# Altium PCB waffling80-MX-north.PcbDoc (part 1 of 3)
Units mm, origin at the board's own origin, x right, y up, seen from the top; angles counter-clockwise.
Board outline 350.11 x 125.01 mm, 2 copper layers (Component Side, Bottom Layer), stack 1.171 mm thick; 231 components, 145 nets, 1093 pads, 153 vias.
Unrouted connection lines stored in the file: 15.
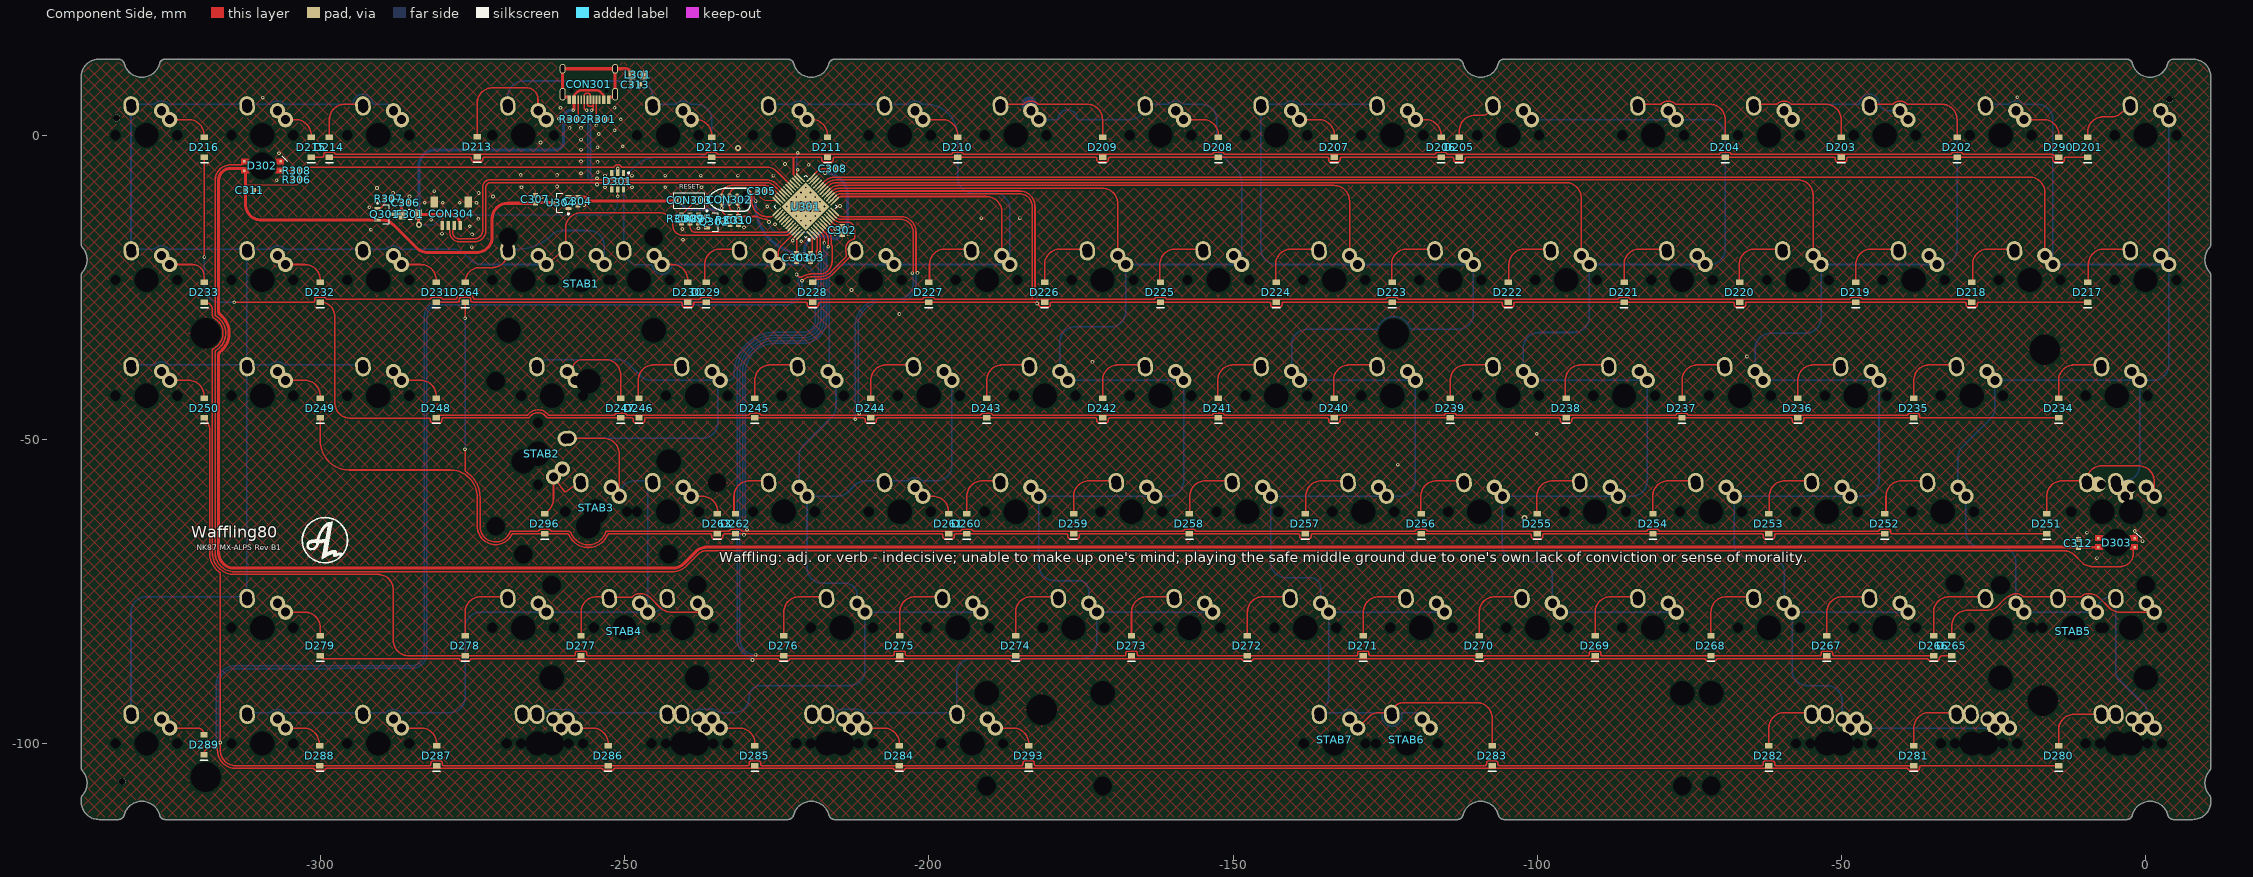
[diagram p0: Component Side view]
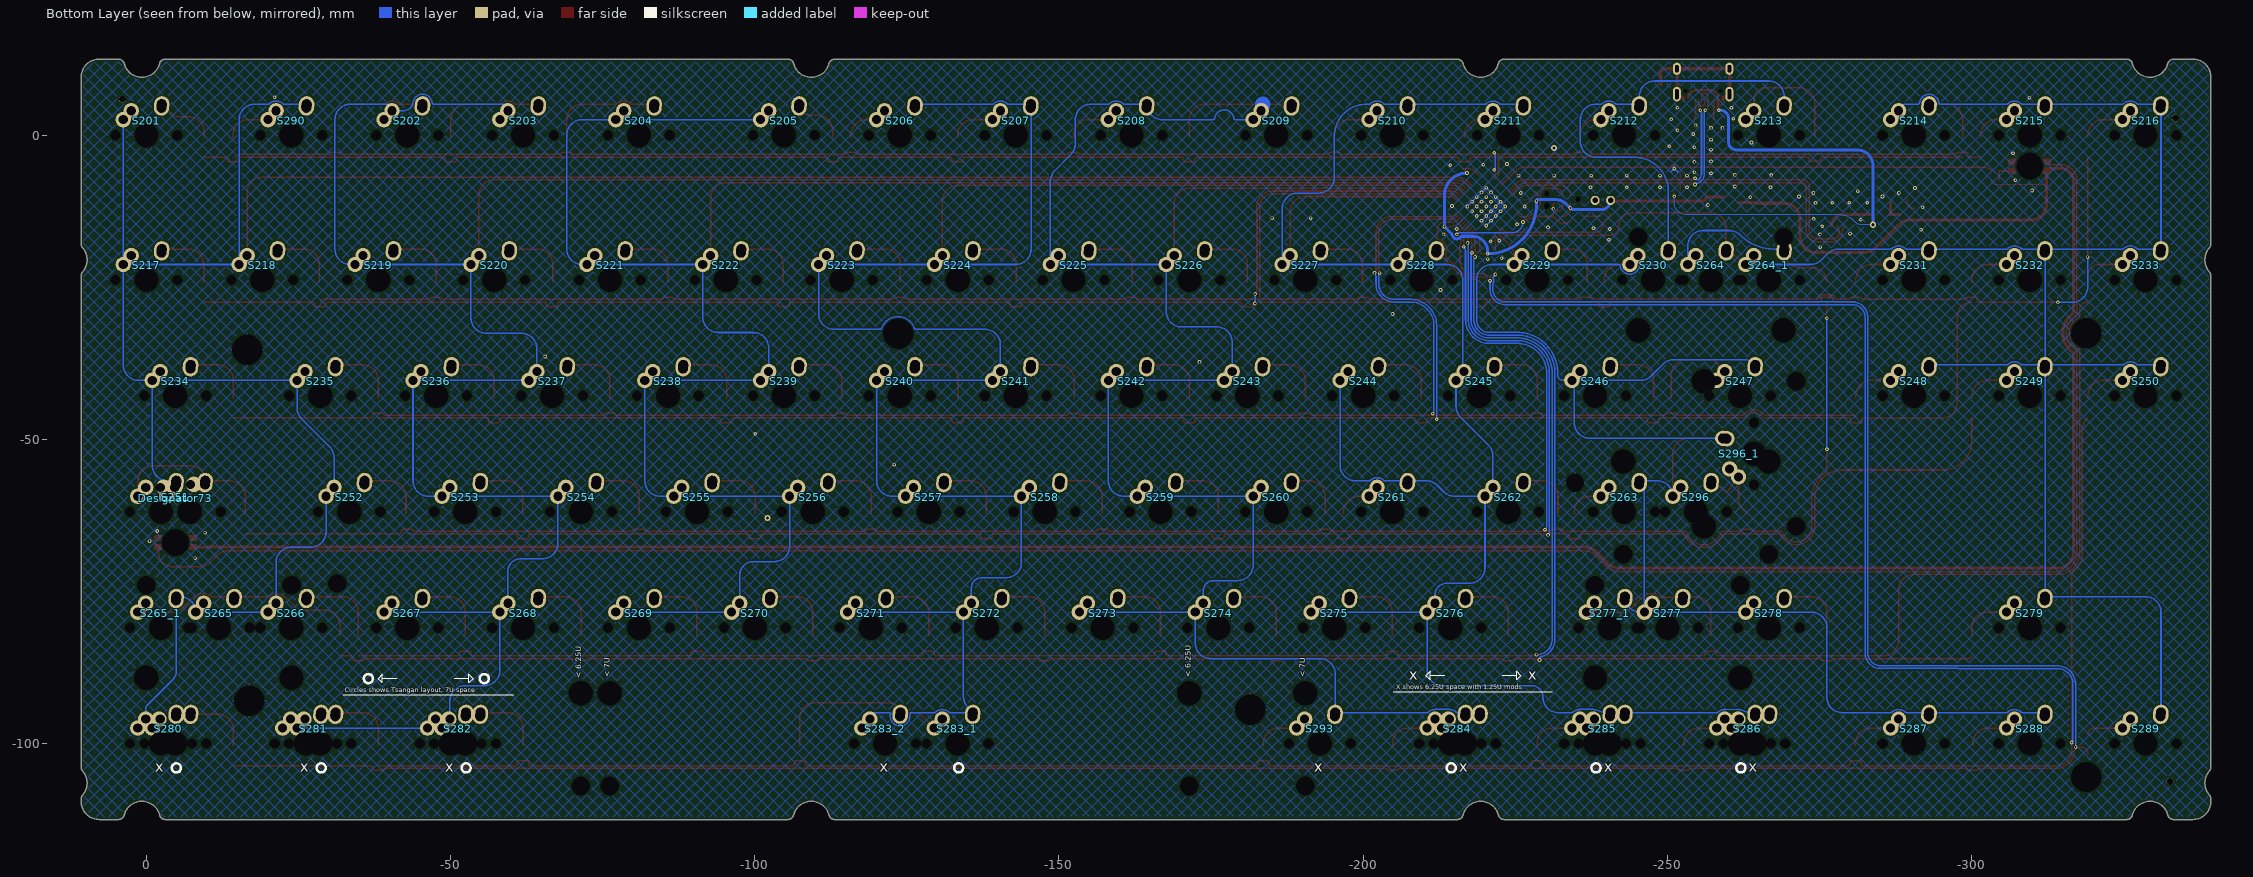
[diagram p1: Bottom Layer view, seen from below]
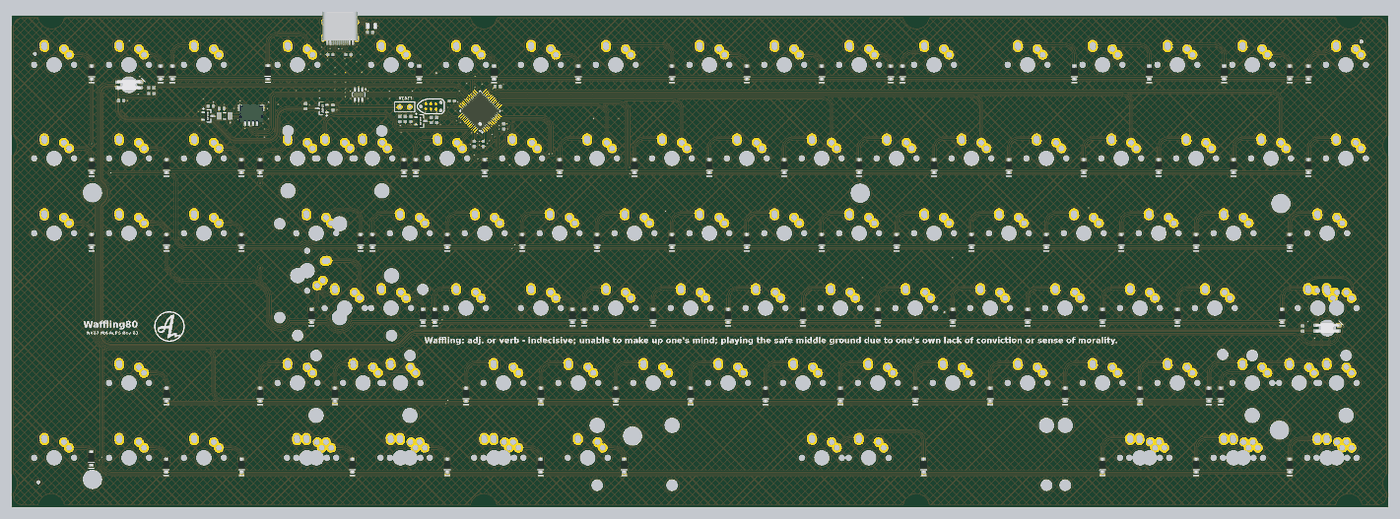
[diagram p4: 3D render of the assembled board from above, using the file's embedded part models]

## Layer stack, top to bottom
Top Solder: solder mask 0.0102, Solder Resist, Dk 3.5
Component Side: signal copper 0.0356
Dielectric 1: core 1.1, FR-4, Dk 4.2
Bottom Layer: signal copper 0.0356
Solder Side: solder mask 0.0102, Solder Resist, Dk 3.5

## Board outline
-339.362,-109.512 ccw(c-336.363,-109.513) -336.362,-112.513 -333.235,-112.513 ccw(c-333.235,-111.512) -332.267,-111.762 cw(c-329.363,-112.513) -326.458,-111.762 ccw(c-325.49,-111.512) -325.49,-112.513 -223.198,-112.513 ccw(c-223.198,-111.512) -222.23,-111.762 cw(c-219.325,-112.513) -216.421,-111.763 ccw(c-215.452,-111.512) -215.452,-112.513 -113.161,-112.513 ccw(c-113.161,-111.512) -112.192,-111.762 cw(c-109.288,-112.513) -106.383,-111.763 ccw(c-105.415,-111.512) -105.415,-112.513 -3.123,-112.513 ccw(c-3.123,-111.512) -2.155,-111.762 cw(c0.75,-112.513) 3.655,-111.763 ccw(c4.623,-111.512) 4.623,-112.513 7.75,-112.513 ccw(c7.75,-109.512) 10.75,-109.512 10.75,-109.158 ccw(c9.75,-109.158) 10.5,-108.497 cw(c12.75,-106.512) 10.5,-104.528 ccw(c9.75,-103.867) 10.75,-103.867 10.75,-23.146 ccw(c9.75,-23.146) 10.5,-22.484 cw(c12.75,-20.5) 10.5,-18.516 ccw(c9.75,-17.854) 10.75,-17.854 10.75,9.5 ccw(c7.75,9.5) 7.75,12.5 4.623,12.5 ccw(c4.623,11.5) 3.655,11.75 cw(c0.75,12.5) -2.155,11.75 ccw(c-3.123,11.5) -3.123,12.5 -105.415,12.5 ccw(c-105.415,11.5) -106.383,11.75 cw(c-109.288,12.5) -112.192,11.75 ccw(c-113.161,11.5) -113.161,12.5 -215.452,12.5 ccw(c-215.452,11.5) -216.421,11.75 cw(c-219.325,12.5) -222.23,11.75 ccw(c-223.198,11.5) -223.198,12.5 -325.49,12.5 ccw(c-325.49,11.5) -326.458,11.75 cw(c-329.363,12.5) -332.267,11.75 ccw(c-333.235,11.5) -333.235,12.5 -336.362,12.5 ccw(c-336.362,9.5) -339.362,9.5 -339.362,-17.854 ccw(c-338.363,-17.854) -339.112,-18.516 cw(c-341.362,-20.5) -339.112,-22.484 ccw(c-338.362,-23.146) -339.362,-23.146 -339.362,-103.867 ccw(c-338.363,-103.867) -339.112,-104.528 cw(c-341.362,-106.512) -339.112,-108.497 ccw(c-338.363,-109.158) -339.362,-109.158

## Design rules (kind name [scope] priority, off if disabled: settings)
BoardOutlineClearance [All] p1: gap=0.254 ignorepadtopadclearanceinfootprint=FALSE except(0: Arc-SplitContinuation Track-SplitContinuation SMDPad-SplitContinuation THPad-SplitContinuation Via-SplitContinuation Fill-SplitContinuation Poly-SplitContinuation Region-SplitContinuation Text-SplitContinuation)
Clearance [All] p1: gap=0.2 ignorepadtopadclearanceinfootprint=FALSE except(0: Arc-Hole Track-Hole SMDPad-Hole THPad-Hole Via-Hole Fill-Hole Poly-Hole Region-Hole Text-Hole; 0.254: THPad-THPad THPad-Via THPad-Fill THPad-Poly THPad-Region THPad-Text Via-Via Via-Fill Via-Poly Via-Region Via-Text Fill-Fill Fill-Poly Fill-Region Fill-Text Poly-Poly Poly-Region Poly-Text Region-Region Region-Text Text-Text)
ComponentClearance [InComponent('No Component') And OnLayer('Component Side')] p1: gap=0.254 collisioncheckmode=3 verticalgap=0.254 showdistances=FALSE
DiffPairsRouting DiffPairsRouting_USB [InDifferentialPairClass('All Differential Pairs')] p1: maxlimit=0.254 minlimit=0.203 mostfreqgap=0.203 toplayer_minwidth=0.152 toplayer_maxwidth=0.381 toplayer_prefwidth=0.152 bottomlayer_minwidth=0.152 bottomlayer_maxwidth=0.381 bottomlayer_prefwidth=0.152 maxuncoupledlength=12.7
DiffPairsRouting [All] p2: maxlimit=0.254 minlimit=0.254 mostfreqgap=0.254 toplayer_minwidth=0.381 toplayer_maxwidth=0.381 toplayer_prefwidth=0.381 bottomlayer_minwidth=0.381 bottomlayer_maxwidth=0.381 bottomlayer_prefwidth=0.381 maxuncoupledlength=12.7
HoleSize [All] p1: absolutevalues=TRUE maxlimit=20 minlimit=0.025 maxpercent=80.000 minpercent=20.000
MatchedLengths MatchedLengths_USB_DiffPairs_1 [All] p1: tolerance=0.127 checknetsindiffpair=TRUE checkdiffpairvsdiffpair=FALSE checkxsignals=FALSE checkothers=FALSE
MatchedLengths MatchedLengths_USB_DiffPairs [All] p2: tolerance=0.127 checknetsindiffpair=TRUE checkdiffpairvsdiffpair=FALSE checkxsignals=FALSE checkothers=FALSE
PolygonConnect PolygonConnect_1 [All vs IsVia] p1: connectstyle=Direct reliefconductorwidth=0.254 reliefentries=4 polygonreliefangle="90 Angle" airgapwidth=0.254
PolygonConnect [All] p2: connectstyle=Relief reliefconductorwidth=0.254 reliefentries=4 polygonreliefangle="90 Angle" airgapwidth=0.254
RoutingVias [All] p1: holewidth=0.711 width=1.27 viastyle="Through Hole" minholewidth=0.711 minwidth=1.27 maxholewidth=0.711 maxwidth=1.27
SolderMaskExpansion [All] p1: expansion=0.102 istentingtop=FALSE
Width [All] p1: maxlimit=2.54 minlimit=0.203 preferedwidth=0.254 minimp=50.000000 maximp=50.000000 favimp=50.000000
27 further rules are at their usual default settings.

## Classes and differential pairs
component class Designator: C201 C202 C203 C204 C205 C206 D201 D202 D203 D204 D205 D206 D207 D208 D209 D210 D211 D212 D213 D214 D215 D216 D217 D218 D219 D220 D221 D222 D223 D224 D225 D226 D227 D228 D229 D230 D231 D232 D233 D234 D235 D236 D237 D238 D239 D240 D241 D242 D243 D244 D245 D246 D247 D248 D249 D250 D251 D252 D253 D254 D255 D256 D257 D258 D259 D260 D261 D262 D263 D264 D265 D266 D267 D268 D269 D270 D271 D272 D273 D274 D275 D276 D277 D278 D279 D280 D281 D282 D283 D284 D285 D286 D287 D288 D289 D290 D293 D296 S201 S202 S203 S204 S205 S206 S207 S208 S209 S210 S211 S212 S213 S214 S215 S216 S217 S218 S219 S220 S221 S222 S223 S224 S225 S226 S227 S228 S229 S230 S231 S232 S233 S234 S235 S236 S237 S238 S239 S240 S241 S242 S243 S244 S245 S246 S247 S248 S249 S250 S251 S252 S253 S254 S255 S256 S257 S258 S259 S260 S261 S262 S263 S264 S264_1 S265 S265_1 S266 S267 S268 S269 S270 S271 S272 S273 S274 S275 S276 S277 S277_1 S278 S279 S280 S281 S282 S283_1 S283_2 S284 S285 S286 S287 S288 S289 S290 S293 S296 S296_1 STAB1 STAB2 STAB3 STAB4 STAB5 STAB6 STAB7
differential pair D: +D_P -D_N

## Components (designator, comment, footprint, x,y, rotation, side; value= is the part's Value field where it differs from the comment)
C301 "" C0603[1608] -221.741,-20.129 r90 top value=0.1uF
C302 "" C0603[1608] -214.248,-15.684 r90 top value=0.1uF
C303 "" C0603[1608] -219.455,-20.129 r90 top value=0.1uF
C304 "" C0603[1608] -257.682,-10.858 r90 top value=0.1uF
C305 "" C0603[1608] -227.456,-9.207 r180 top value=0.1uF
C306 "" C0603[1608] -286.003,-11.112 r180 top value=4.7uF
C307 "" C0603[1608] -264.669,-10.556 r270 top value=1uF
C308 "" C0603[1608] -215.772,-5.524 r180 top value=0.1uF
C309 "" C0603[1608] -239.267,-13.779 r90 top value=4.7uF
C310 "" C0603[1608] -231.266,-14.033 r270 top value=470nF
C311 "" C0603[1608] -311.613,-9.1 r180 top value=0.1uF
C312 "" C0603[1608] -11.048,-67.119 r270 top value=0.1uF
C313 "" C0603[1608] -248.239,8.311 r180 top value=0.1uF
CON301 "TYPE-C-31-M-12" TYPE-C-31-M-12 -255.887,5.806 r180 top
CON302 "TC2030-IDC" TC2030-IDC-NL -232.79,-10.604 r0 top
CON303 "Header 2" HDR1X2 -238.124,-10.731 r180 top
CON304 "Header 5" "JST SM04B-SRSS-TB" -278.51,-10.985 r180 top
D201 "Diode" SOD-123 -9.525,-2 r90 top
D202 "Diode" SOD-123 -30.987,-2 r90 top
D203 "Diode" SOD-123 -50.037,-2 r90 top
D204 "Diode" SOD-123 -69.087,-2 r90 top
D205 "Diode" SOD-123 -112.801,-2 r90 top
D206 "Diode" SOD-123 -115.8,-2 r90 top
D207 "Diode" SOD-123 -133.35,-2 r90 top
D208 "Diode" SOD-123 -152.4,-2 r90 top
D209 "Diode" SOD-123 -171.45,-2 r90 top
D210 "Diode" SOD-123 -195.263,-2 r90 top
D211 "Diode" SOD-123 -216.661,-2 r90 top
D212 "Diode" SOD-123 -235.711,-2 r90 top
D213 "Diode" SOD-123 -274.249,-1.912 r90 top
D214 "Diode" SOD-123 -298.538,-2 r90 top
D215 "Diode" SOD-123 -301.537,-2 r90 top
D216 "Diode" SOD-123 -319.087,-2 r90 top
D217 "Diode" SOD-123 -9.525,-25.812 r90 top
D218 "Diode" SOD-123 -28.575,-25.812 r90 top
D219 "Diode" SOD-123 -47.625,-25.812 r90 top
D220 "Diode" SOD-123 -66.675,-25.812 r90 top
D221 "Diode" SOD-123 -85.725,-25.812 r90 top
D222 "Diode" SOD-123 -104.775,-25.812 r90 top
D223 "Diode" SOD-123 -123.825,-25.812 r90 top
D224 "Diode" SOD-123 -142.875,-25.812 r90 top
D225 "Diode" SOD-123 -161.925,-25.812 r90 top
D226 "Diode" SOD-123 -180.975,-25.812 r90 top
D227 "Diode" SOD-123 -200.025,-25.812 r90 top
D228 "Diode" SOD-123 -219.075,-25.812 r90 top
D229 "Diode" SOD-123 -236.625,-25.812 r90 top
D230 "Diode" SOD-123 -239.625,-25.812 r90 top
D231 "Diode" SOD-123 -280.987,-25.812 r90 top
D232 "Diode" SOD-123 -300.037,-25.812 r90 top
D233 "Diode" SOD-123 -319.087,-25.812 r90 top
D234 "Diode" SOD-123 -14.287,-44.862 r90 top
D235 "Diode" SOD-123 -38.1,-44.862 r90 top
D236 "Diode" SOD-123 -57.15,-44.862 r90 top
D237 "Diode" SOD-123 -76.2,-44.862 r90 top
D238 "Diode" SOD-123 -95.25,-44.862 r90 top
D239 "Diode" SOD-123 -114.3,-44.862 r90 top
D240 "Diode" SOD-123 -133.35,-44.862 r90 top
D241 "Diode" SOD-123 -152.4,-44.862 r90 top
D242 "Diode" SOD-123 -171.45,-44.862 r90 top
D243 "Diode" SOD-123 -190.5,-44.862 r90 top
D244 "Diode" SOD-123 -209.55,-44.862 r90 top
D245 "Diode" SOD-123 -228.6,-44.862 r90 top
D246 "Diode" SOD-123 -247.65,-44.862 r90 top
D247 "Diode" SOD-123 -250.65,-44.862 r90 top
D248 "Diode" SOD-123 -280.987,-44.862 r90 top
D249 "Diode" SOD-123 -300.037,-44.862 r90 top
D250 "Diode" SOD-123 -319.087,-44.862 r90 top
D251 "Diode" SOD-123 -16.25,-63.912 r90 top
D252 "Diode" SOD-123 -42.862,-63.912 r90 top
D253 "Diode" SOD-123 -61.912,-63.912 r90 top
D254 "Diode" SOD-123 -80.962,-63.912 r90 top
D255 "Diode" SOD-123 -100.013,-63.912 r90 top
D256 "Diode" SOD-123 -119.062,-63.912 r90 top
D257 "Diode" SOD-123 -138.112,-63.912 r90 top
D258 "Diode" SOD-123 -157.162,-63.912 r90 top
D259 "Diode" SOD-123 -176.213,-63.912 r90 top
D260 "Diode" SOD-123 -193.763,-63.912 r90 top
D261 "Diode" SOD-123 -196.762,-63.912 r90 top
D262 "Diode" SOD-123 -231.78,-63.912 r90 top
D263 "Diode" SOD-123 -234.78,-63.912 r90 top
D264 "Diode" SOD-123 -276.225,-25.812 r90 top
D265 "Diode" SOD-123 -31.835,-83.962 r90 top
D266 "Diode" SOD-123 -34.835,-83.962 r90 top
D267 "Diode" SOD-123 -52.387,-83.962 r90 top
D268 "Diode" SOD-123 -71.437,-83.962 r90 top
D269 "Diode" SOD-123 -90.487,-83.962 r90 top
D270 "Diode" SOD-123 -109.537,-83.962 r90 top
D271 "Diode" SOD-123 -128.587,-83.962 r90 top
D272 "Diode" SOD-123 -147.637,-83.962 r90 top
D273 "Diode" SOD-123 -166.687,-83.962 r90 top
D274 "Diode" SOD-123 -185.737,-83.962 r90 top
D275 "Diode" SOD-123 -204.787,-83.962 r90 top
D276 "Diode" SOD-123 -223.837,-83.962 r90 top
D277 "Diode" SOD-123 -257.175,-83.962 r90 top
D278 "Diode" SOD-123 -276.225,-83.962 r90 top
D279 "Diode" SOD-123 -300.037,-83.962 r90 top
D280 "Diode" SOD-123 -14.287,-102.012 r90 top
D281 "Diode" SOD-123 -38.099,-102.012 r90 top
D282 "Diode" SOD-123 -61.913,-102.012 r90 top
D283 "Diode" SOD-123 -107.393,-102.012 r90 top
D284 "Diode" SOD-123 -204.845,-102.012 r90 top
D285 "Diode" SOD-123 -228.594,-102.012 r90 top
D286 "Diode" SOD-123 -252.724,-102.012 r90 top
D287 "Diode" SOD-123 -280.918,-102.012 r90 top
D288 "Diode" SOD-123 -300.095,-102.012 r90 top
D289 "Diode" SOD-123 -319.145,-100.194 r90 top
D290 "Diode" SOD-123 -14.287,-2 r90 top
D293 "Diode" SOD-123 -183.59,-102.012 r90 top
D296 "Diode" SOD-123 -263.138,-63.912 r90 top
D301 "SRV05" SOT-23-6 -251.15,-7.587 r270 top
D302 "SK6812MINI-E" "SK6812MINI-E - shaped" -309.562,-5.079 r180 top
D303 "SK6812MINI-E" "SK6812MINI-E - shaped" -4.763,-66.992 r180 top
Designator73 "Comment" "ALPS-switch - 1.5U" -4.763,-61.913 r180 bottom
F301 "Fuse Thermal" C1206[3216] -285.241,-13.017 r0 top
L301 "Inductor" L0805 -247.849,9.888 r180 top
Q301 "PMOS-2" SOT-23-3 -289.432,-13.017 r0 top
Q302 "2N7002 NMOS" SOT-23-3 -235.295,-14.287 r0 top
R301 "Res1" R0603[1608] -253.75,2.588 r0 top value=5k1
R302 "Res1" R0603[1608] -258.349,2.588 r180 top value=5k1
R303 "Res1" R0603[1608] -232.663,-14.033 r270 top value=10K
R304 "Res1" R0603[1608] -240.664,-13.779 r270 top value=10K
R305 "Res1" R0603[1608] -237.885,-13.779 r270 top value=100K
R306 "Res1" R0603[1608] -303.896,-7.302 r180 top value=10K
R307 "Res1" R0603[1608] -288.797,-10.477 r0 top value=10K
R308 "Res1" R0603[1608] -303.91,-5.83 r0 top value=470
S201 "MX" "MX_ALPS-switch switched pol" 0,0 r180 bottom locked
S202 "MX" "MX_ALPS-switch switched pol" -42.862,0 r180 bottom locked
S203 "MX" "MX_ALPS-switch switched pol" -61.912,0 r180 bottom locked
S204 "MX" "MX_ALPS-switch switched pol" -80.962,0 r180 bottom locked
S205 "MX" "MX_ALPS-switch switched pol" -104.775,0 r180 bottom locked
S206 "MX" MX_ALPS-switch -123.825,0 r180 bottom locked
S207 "MX" MX_ALPS-switch -142.875,0 r180 bottom locked
S208 "MX" MX_ALPS-switch -161.925,0 r180 bottom locked
S209 "MX" "MX_ALPS-switch switched pol" -185.738,0 r180 bottom locked
S210 "MX" MX_ALPS-switch -204.788,0 r180 bottom locked
S211 "MX" MX_ALPS-switch -223.838,0 r180 bottom locked
S212 "MX" MX_ALPS-switch -242.888,0 r180 bottom locked
S213 "MX" MX_ALPS-switch -266.7,0 r180 bottom locked
S214 "MX" "MX_ALPS-switch switched pol" -290.512,0 r180 bottom locked
S215 "MX" MX_ALPS-switch -309.562,0 r180 bottom locked
S216 "MX" MX_ALPS-switch -328.612,0 r180 bottom locked
S217 "MX" "MX_ALPS-switch switched pol" 0,-23.812 r180 bottom locked
S218 "MX" "MX_ALPS-switch switched pol" -19.05,-23.812 r180 bottom locked
S219 "MX" "MX_ALPS-switch switched pol" -38.1,-23.812 r180 bottom locked
S220 "MX" "MX_ALPS-switch switched pol" -57.15,-23.812 r180 bottom locked
S221 "MX" "MX_ALPS-switch switched pol" -76.2,-23.812 r180 bottom locked
S222 "MX" "MX_ALPS-switch switched pol" -95.25,-23.812 r180 bottom locked
S223 "MX" "MX_ALPS-switch switched pol" -114.3,-23.812 r180 bottom locked
S224 "MX" "MX_ALPS-switch switched pol" -133.35,-23.812 r180 bottom locked
S225 "MX" "MX_ALPS-switch switched pol" -152.4,-23.812 r180 bottom locked
S226 "MX" "MX_ALPS-switch switched pol" -171.45,-23.812 r180 bottom locked
S227 "MX" "MX_ALPS-switch switched pol" -190.5,-23.812 r180 bottom locked
S228 "MX" "MX_ALPS-switch switched pol" -209.55,-23.812 r180 bottom locked
S229 "MX" "MX_ALPS-switch switched pol" -228.6,-23.812 r180 bottom locked
S230 "MX" MX_ALPS-switch -247.65,-23.812 r180 bottom locked
S231 "MX" MX_ALPS-switch -290.512,-23.812 r180 bottom locked
S232 "MX" MX_ALPS-switch -309.562,-23.812 r180 bottom locked
S233 "MX" MX_ALPS-switch -328.612,-23.812 r180 bottom locked
S234 "MX" "MX_ALPS-switch switched pol" -4.763,-42.862 r180 bottom locked
S235 "MX" "MX_ALPS-switch switched pol" -28.575,-42.862 r180 bottom locked
S236 "MX" "MX_ALPS-switch switched pol" -47.625,-42.862 r180 bottom locked
S237 "MX" "MX_ALPS-switch switched pol" -66.675,-42.862 r180 bottom locked
S238 "MX" "MX_ALPS-switch switched pol" -85.725,-42.862 r180 bottom locked
S239 "MX" "MX_ALPS-switch switched pol" -104.775,-42.862 r180 bottom locked
S240 "MX" "MX_ALPS-switch switched pol" -123.825,-42.862 r180 bottom locked
S241 "MX" "MX_ALPS-switch switched pol" -142.875,-42.862 r180 bottom locked
S242 "MX" "MX_ALPS-switch switched pol" -161.925,-42.862 r180 bottom locked
S243 "MX" "MX_ALPS-switch switched pol" -180.975,-42.862 r180 bottom locked
S244 "MX" "MX_ALPS-switch switched pol" -200.025,-42.862 r180 bottom locked
S245 "MX" "MX_ALPS-switch switched pol" -219.075,-42.862 r180 bottom locked
S246 "MX" "MX_ALPS-switch switched pol" -238.125,-42.862 r180 bottom locked
S247 "MX" "mx_alps - 1.5U" -261.938,-42.862 r180 bottom locked
S248 "MX" MX_ALPS-switch -290.512,-42.862 r180 bottom locked
S249 "MX" MX_ALPS-switch -309.562,-42.862 r180 bottom locked
S250 "MX" MX_ALPS-switch -328.612,-42.862 r180 bottom locked
S251 "MX" "mx_alps - CAPS" -7.144,-61.912 r180 bottom locked
S252 "MX" "MX_ALPS-switch switched pol" -33.337,-61.912 r180 bottom locked
S253 "MX" "MX_ALPS-switch switched pol" -52.387,-61.912 r180 bottom locked
S254 "MX" "MX_ALPS-switch switched pol" -71.438,-61.912 r180 bottom locked
S255 "MX" "MX_ALPS-switch switched pol" -90.487,-61.912 r180 bottom locked
S256 "MX" "MX_ALPS-switch switched pol" -109.537,-61.912 r180 bottom locked
S257 "MX" "MX_ALPS-switch switched pol" -128.588,-61.912 r180 bottom locked